# Altium PCB Farzanegan2-2025.PcbDoc (part 1 of 2)
Units mm, origin at the board's own origin, x right, y up, seen from the top; angles counter-clockwise.
Board outline 131.62 x 119.43 mm, 2 copper layers (Top Layer, Bottom Layer); 98 components, 81 nets, 407 pads, 121 vias.
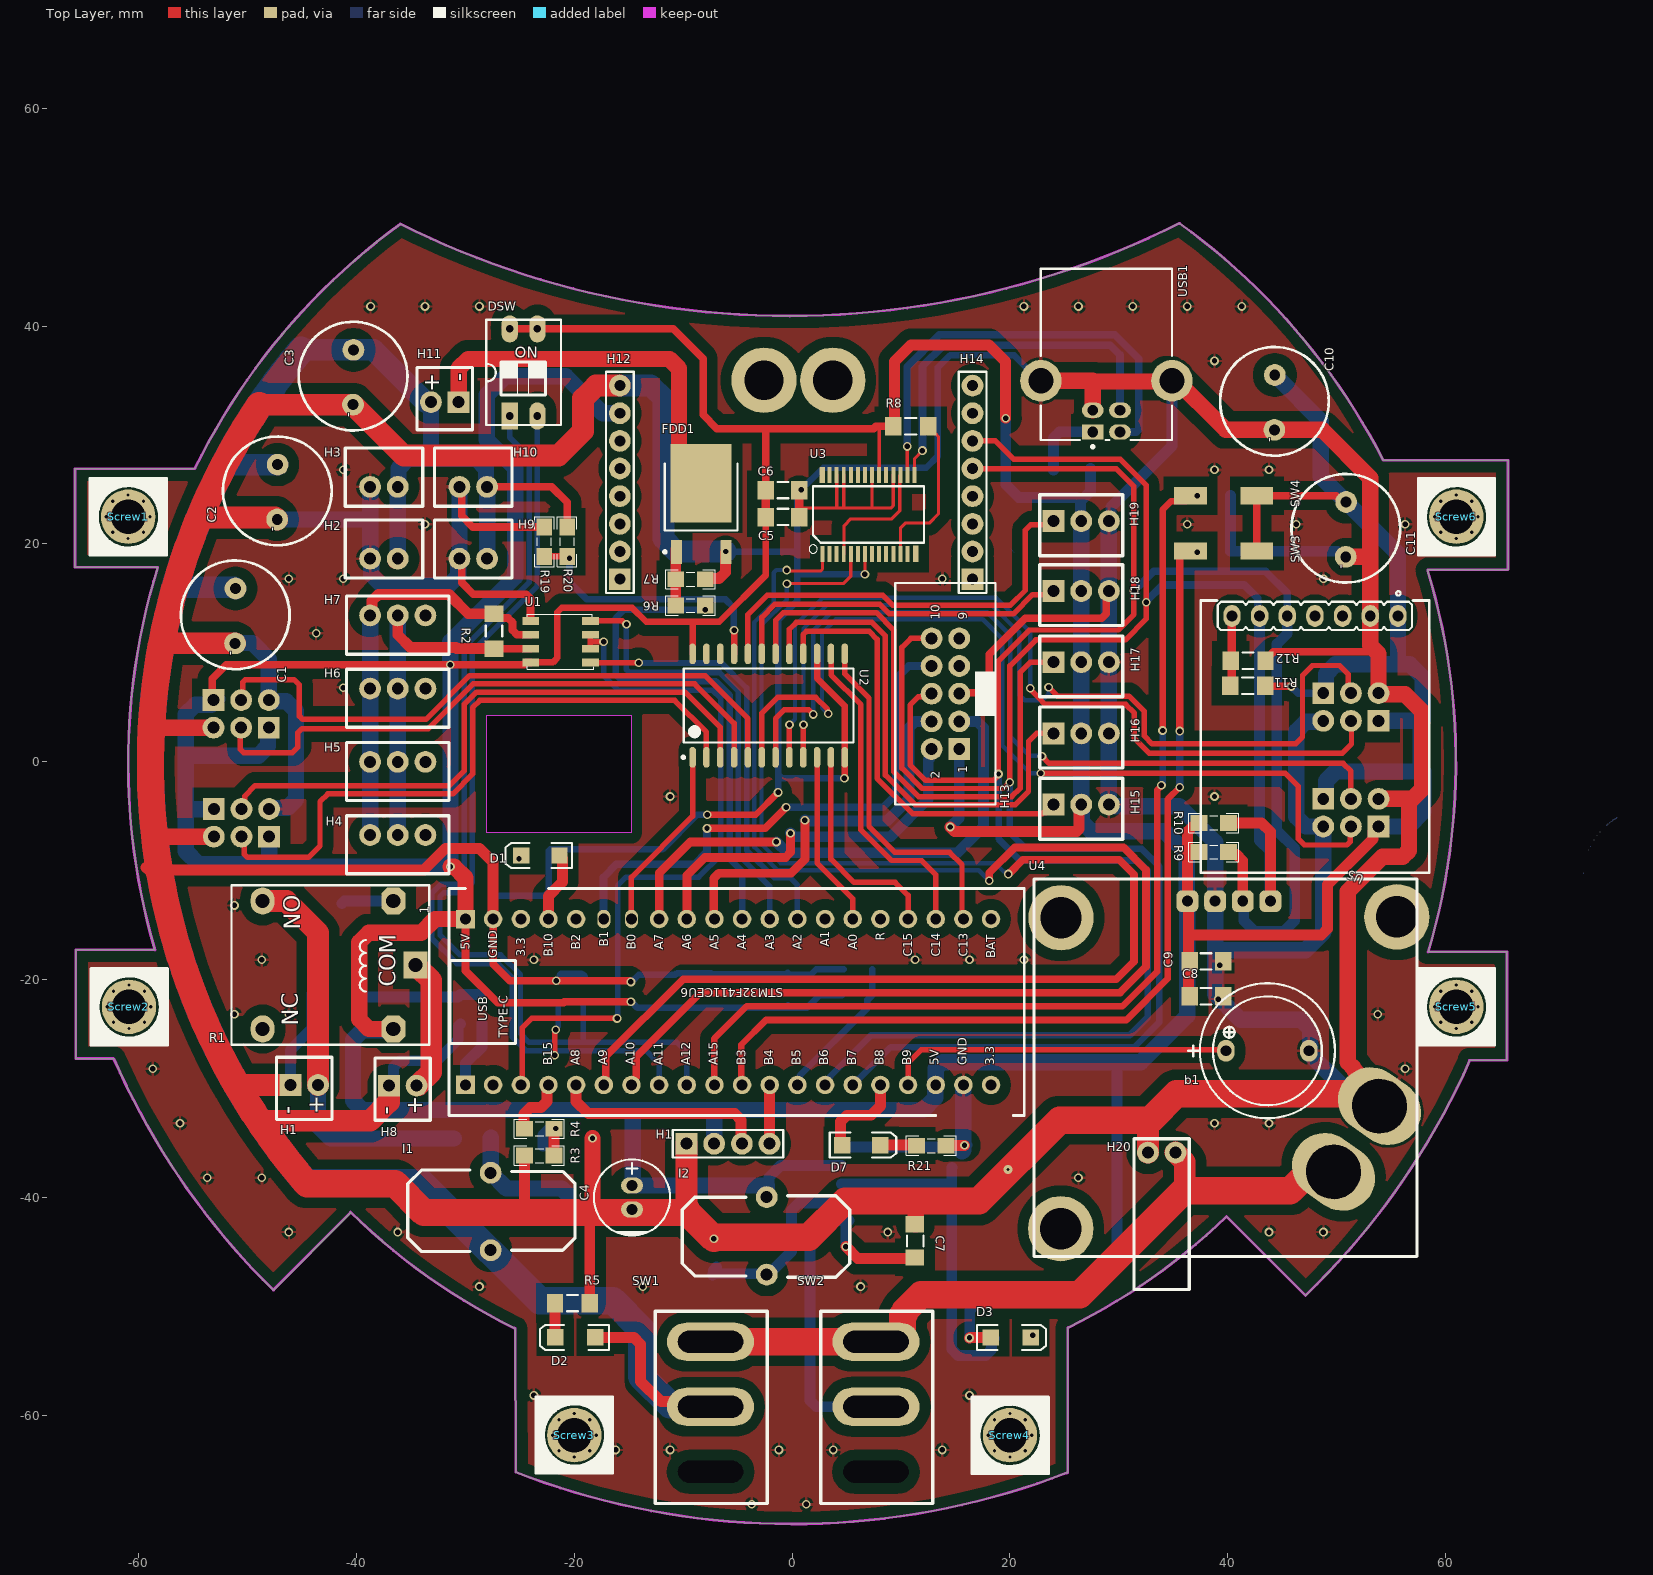
[diagram p0: Top Layer view]
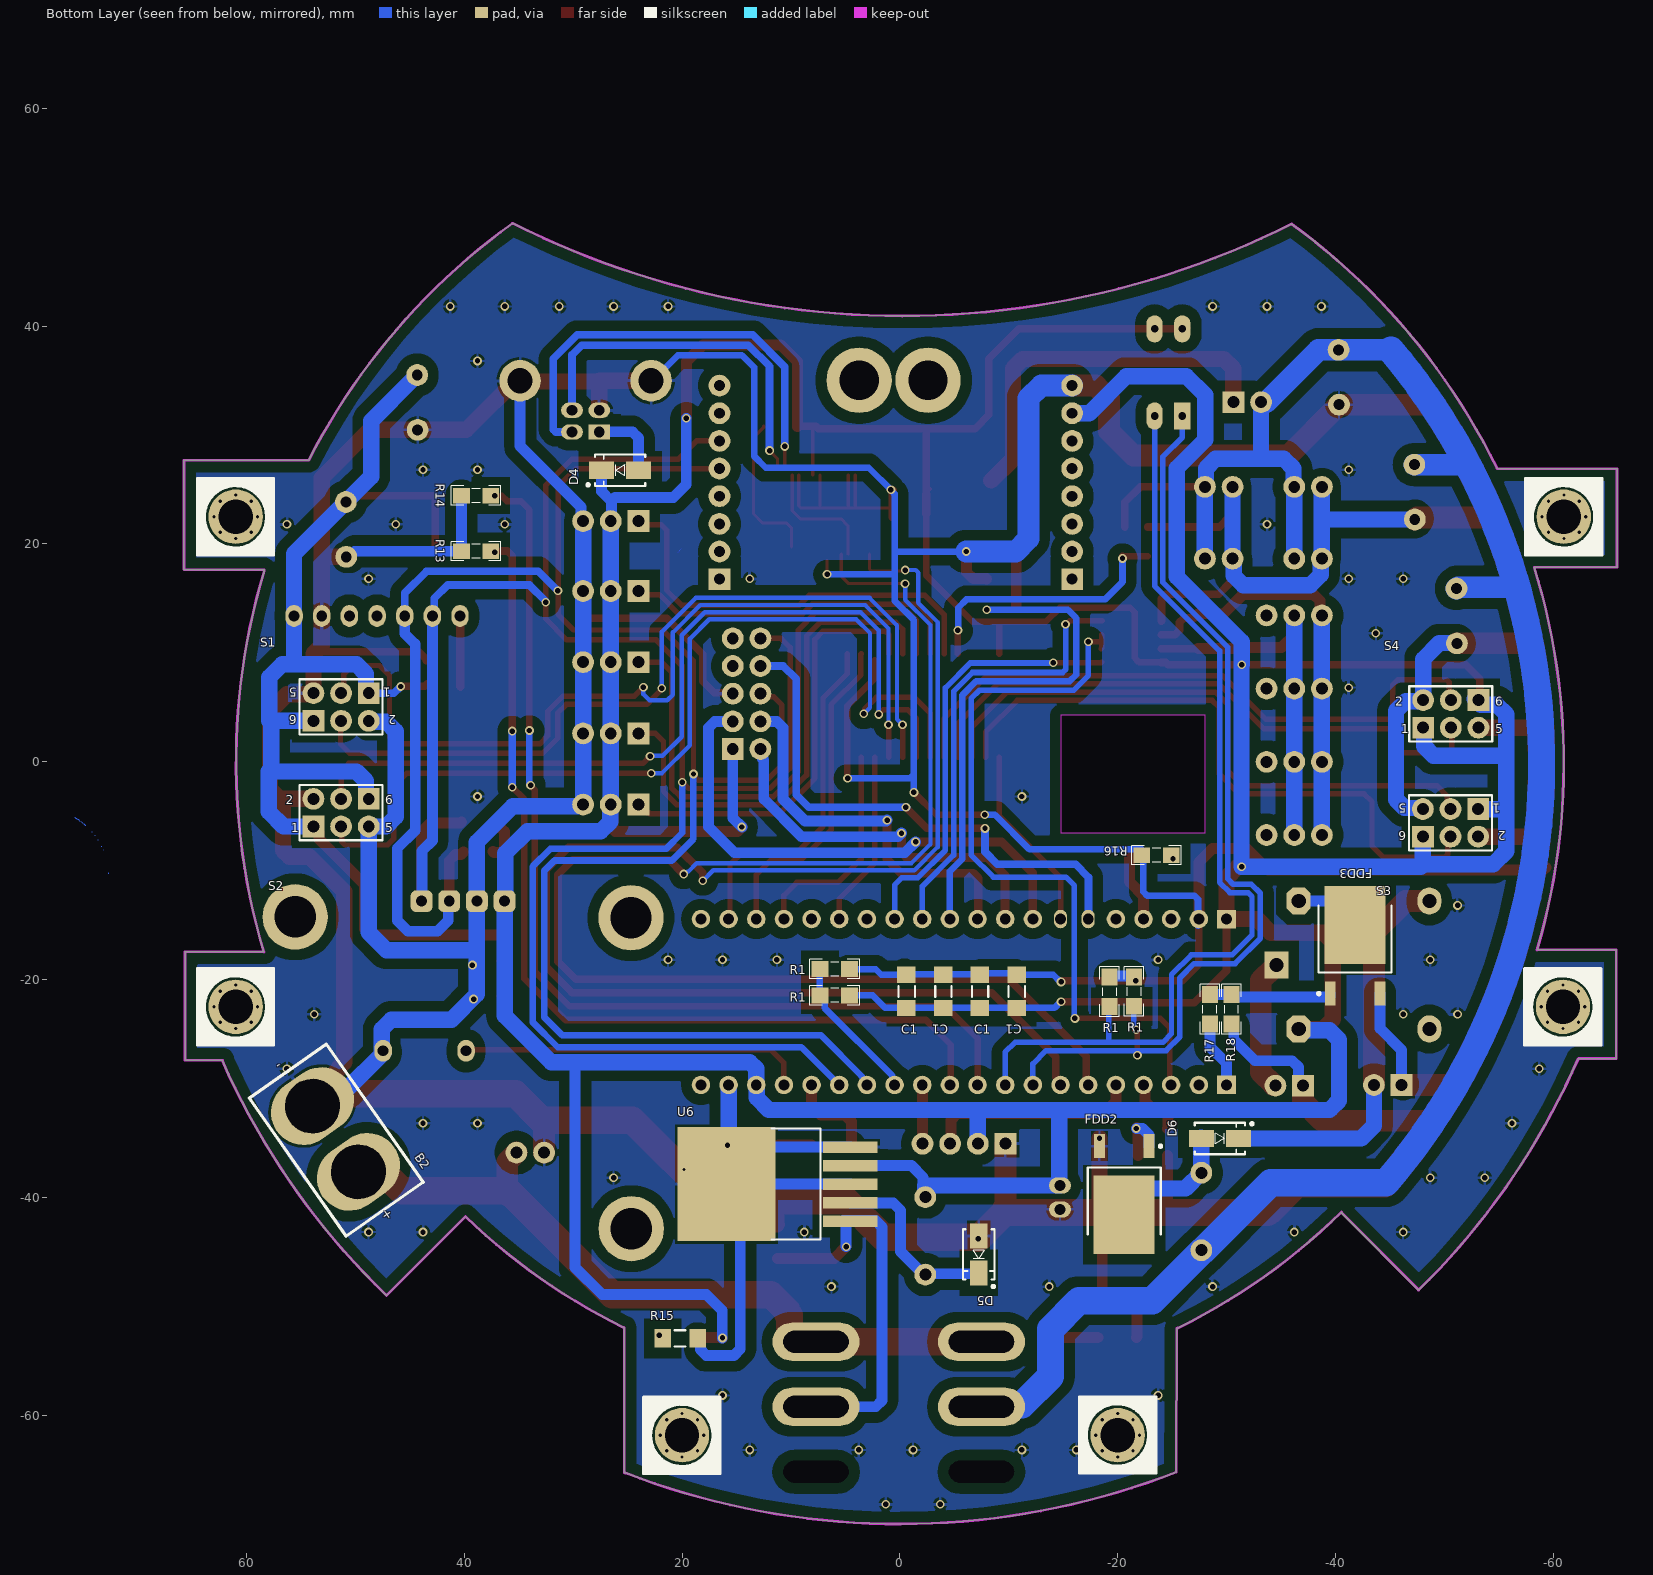
[diagram p1: Bottom Layer view, seen from below]
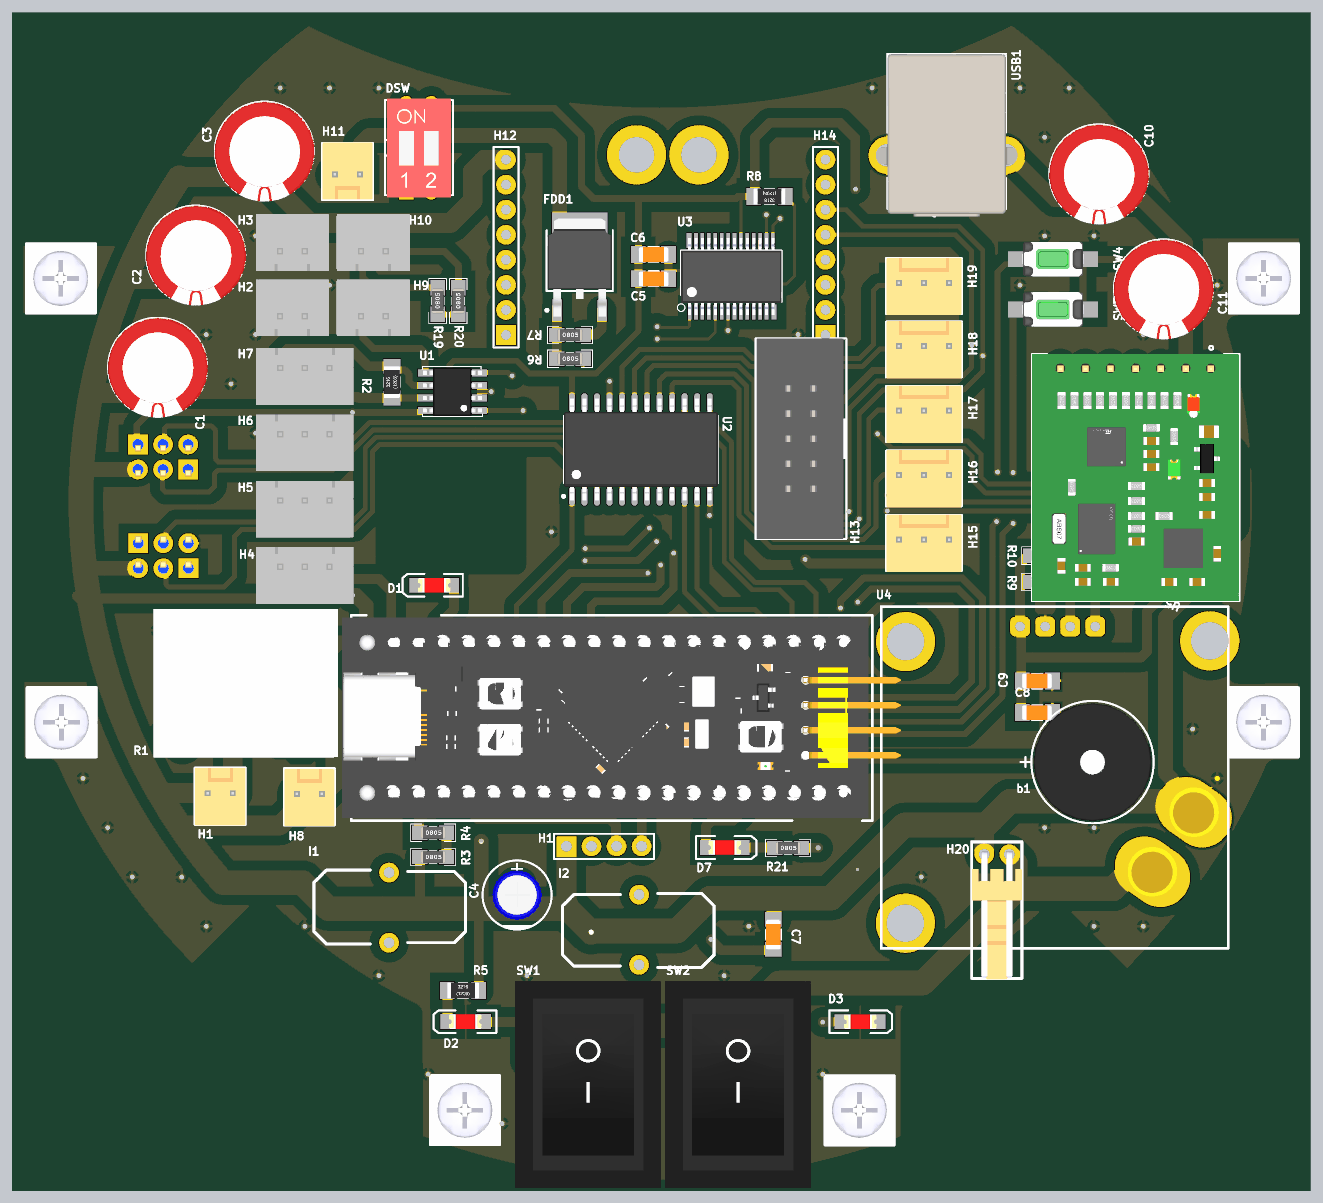
[diagram p3: 3D render of the assembled board from above, using the file's embedded part models]
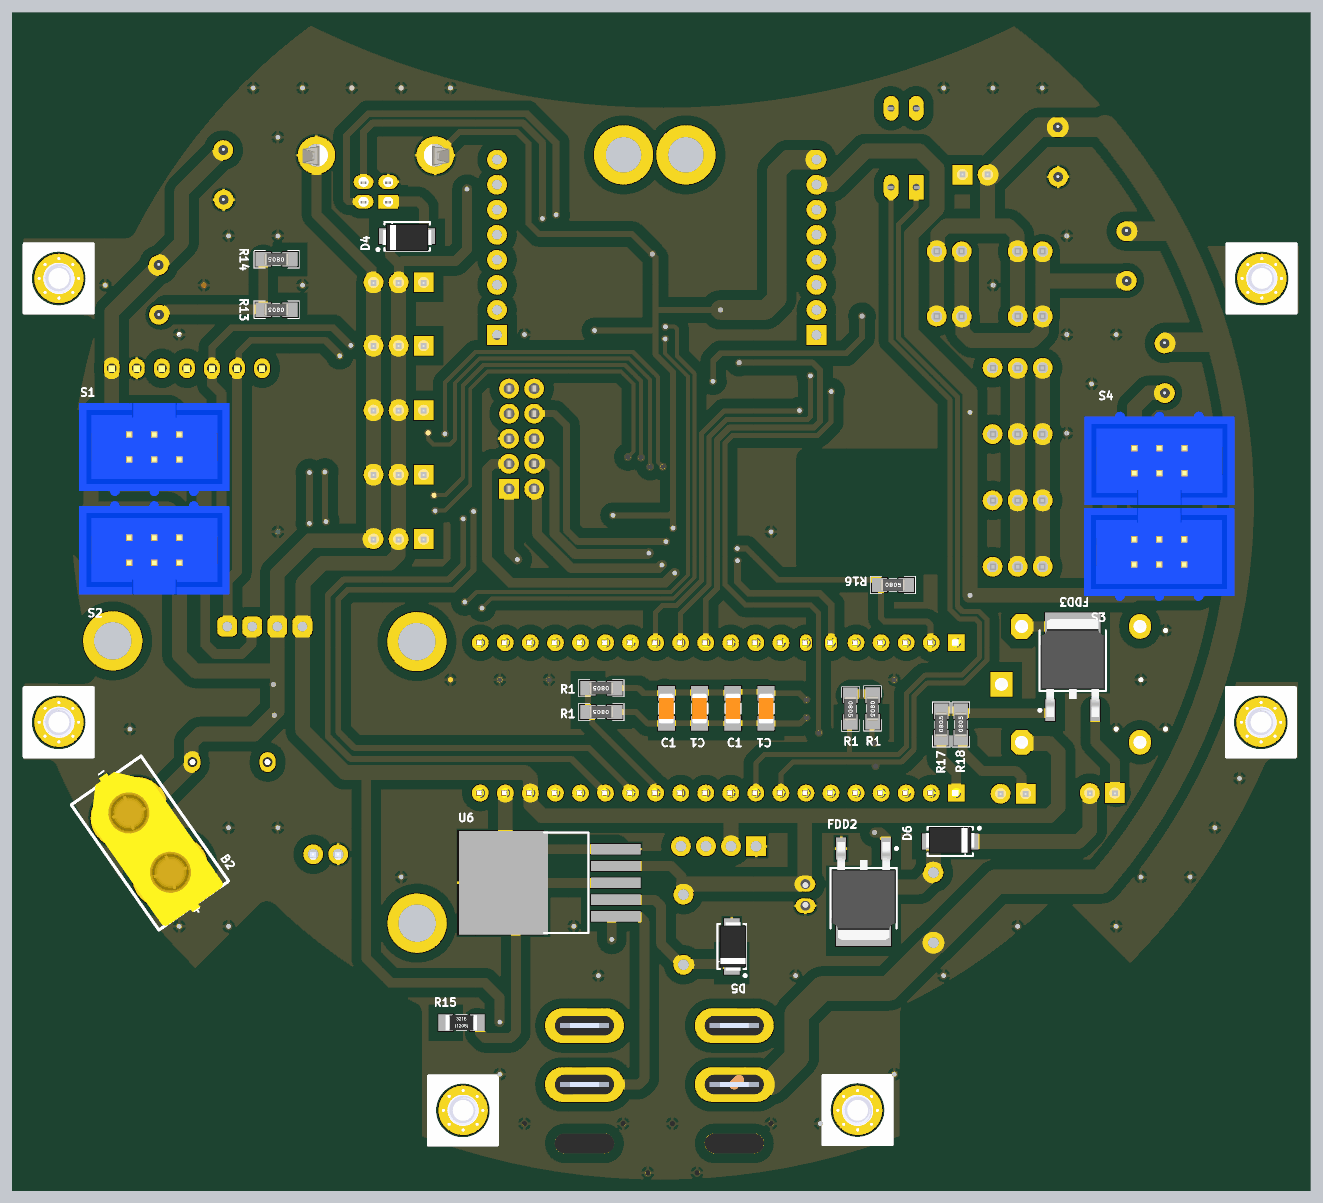
[diagram p4: 3D render of the assembled board from below, using the file's embedded part models]

## Layer stack, top to bottom
Top Solder: solder mask 0.0102, Solder Resist, Dk 3.5
Top Layer: signal copper 0.0356
Dielectric 1: dielectric 0.32, FR-4, Dk 4.8
Bottom Layer: signal copper 0.0356
Bottom Solder: solder mask 0.0102, Solder Resist, Dk 3.5

## Board outline
-47.637,-48.526 cw(c0,0) -62.277,-27.306 -62.332,-27.254 -65.761,-27.254 -65.786,-27.263 -65.786,-17.272 -58.522,-17.272 -58.519,-17.287 cw(c0.025,-0.152) -58.264,17.83 -58.293,17.856 -65.862,17.856 -65.862,26.848 -65.888,26.899 -54.966,26.899 -54.843,26.939 cw(c-0.076,0.076) -36.007,49.371 -35.997,49.392 ccw(c-0.272,120.673) 35.533,49.431 35.593,49.419 cw(c-0.025,-0.102) 54.276,27.689 54.331,27.686 65.735,27.686 65.735,17.653 65.684,17.628 58.369,17.628 58.372,17.517 cw(c-0.051,-0.025) 58.409,-17.446 58.394,-17.468 65.658,-17.451 65.634,-17.45 65.634,-27.407 62.205,-27.407 62.23,-27.413 cw(c0,0) 47.216,-48.935 47.142,-49.022 39.891,-41.77 39.892,-41.771 cw(c-0.186,-0.053) 25.347,-51.963 25.298,-51.973 25.298,-65.278 25.203,-65.306 cw(c0,0) -25.37,-65.241 -25.375,-65.227 -25.425,-52.049 -25.519,-52.011 cw(c0.025,0) -40.566,-41.352 -40.589,-41.453
cut-out: -28.042,-6.528 -28.042,4.267 -14.783,4.267 -14.783,-6.528

## Design rules (kind name [scope] priority, off if disabled: settings)
Clearance [All] p1: gap=0.254 ignorepadtopadclearanceinfootprint=FALSE except(0.5: Fill-Text Fill-Hole Poly-Text Poly-Hole Region-Text Region-Hole; 1: Arc-Fill Arc-Poly Arc-Region Track-Fill Track-Poly Track-Region SMDPad-Fill SMDPad-Poly SMDPad-Region THPad-Fill THPad-Poly THPad-Region Via-Fill Via-Poly Via-Region Fill-Fill Fill-Poly Fill-Region Poly-Poly Poly-Region Region-Region)
ComponentClearance [All] p1 off: gap=0.254 collisioncheckmode=3 verticalgap=0.254 showdistances=FALSE
Height [All] p1: minheight=0 maxheight=50 prefheight=12.7
HoleSize [All] p1: absolutevalues=TRUE maxlimit=50 minlimit=0.025 maxpercent=80.000 minpercent=20.000
PolygonConnect [All] p1: connectstyle=Relief reliefconductorwidth=0.254 reliefentries=4 polygonreliefangle="90 Angle" airgapwidth=0.254
RoutingVias [All] p1: holewidth=0.5 width=0.8 viastyle="Through Hole" minholewidth=0.5 minwidth=0.8 maxholewidth=2 maxwidth=2
SolderMaskExpansion [All] p1: expansion=0.102 istentingtop=FALSE
SupplyNets "Schematic Supply Nets_2" [InNet('+5')] p1: voltage=0.000
SupplyNets "Schematic Supply Nets_1" [InNet('+12')] p2: voltage=0.000
SupplyNets "Schematic Supply Nets" [InNet('GND')] p3: voltage=0.000
Width Width_Power [InNetClass('Power')] p1: maxlimit=5 minlimit=0.5 preferedwidth=3 minimp=50.000000 maximp=50.000000 favimp=50.000000
Width [All] p2: maxlimit=5 minlimit=0.3 preferedwidth=1 minimp=50.000000 maximp=50.000000 favimp=50.000000
27 further rules are at their usual default settings.

## Classes and differential pairs
component class Sheet1.~(21): D5 R17 S1 S2 S3 S4 Screw1 Screw2 Screw3 Screw4 Screw5 Screw6 U5

## Components (designator, comment, footprint, x,y, rotation, side; value= is the part's Value field where it differs from the comment)
1 "BlackPill" BlackPill -3.962,-21.869 r90 top locked (schematic designator *)
b1 "Comment" "BUZZER 7.62mm DC" 43.637,-26.543 r0 top
B2 "Comment" XT60 50.952,-35.89 r325 bottom
C1 "smd" "Cap SMD" -0.61,-21.083 r270 bottom (schematic designator cap57)
C1 "smd" "Cap SMD" -3.979,-21.083 r270 bottom (schematic designator cap1)
C1 "smd" "Cap SMD" -10.719,-21.083 r270 bottom (schematic designator cap1)
C1 "smd" "Cap SMD" -7.349,-21.083 r270 bottom (schematic designator cap57)
C1 "Comment" "MY_CAP_POL 10MM" -51.135,13.389 r270 top
C2 "Comment" "MY_CAP_POL 10MM" -47.269,24.765 r270 top
C3 "Comment" "MY_CAP_POL 10MM" -40.31,35.306 r270 top
C4 "100uf" "Cap 100uF" -14.63,-39.886 r180 top (schematic designator cap2)
C5 "smd" "Cap SMD" -0.889,22.454 r0 top (schematic designator cap3)
C6 "smd" "Cap SMD" -0.889,24.917 r0 top (schematic designator cap23)
C7 "smd" "Cap SMD" 11.278,-43.993 r270 top (schematic designator cap11)
C8 "smd" "Cap SMD" 38.048,-21.514 r180 top (schematic designator cap57)
C9 "smd" "Cap SMD" 38.048,-18.313 r180 top (schematic designator cap1)
C10 "Comment" "MY_CAP_POL 10MM" 44.298,32.995 r270 top
C11 "Comment" "MY_CAP_POL 10MM" 50.851,21.336 r270 top
D1 "SMD 1206 LED" "LED 1206" -23.114,-8.611 r180 top (schematic designator D2)
D2 "SMD" "LED SMD" -20.218,-52.832 r180 top (schematic designator LED2)
D3 "SMD" "LED SMD" 20.371,-52.896 r0 top (schematic designator LED1)
D4 "1n4007" DIOM4629X24N 25.679,26.772 r0 bottom (schematic designator D3)
D5 "1n4007" DIOM4629X24N -7.239,-45.237 r270 bottom (schematic designator D3)
D6 "1n4007" DIOM4629X24N -29.386,-34.595 r180 bottom (schematic designator D3)
D7 "SMD 1206 LED" "LED 1206" 6.352,-35.204 r0 top (schematic designator D2)
DSW "Comment" "DIP Switch x2" -25.933,31.75 r0 top
FDD1 "Comment" TO252-3M -8.357,23.673 r90 top
FDD2 "Comment" TO252-3M -20.605,-39.706 r270 bottom
FDD3 "Comment" TO252-3M -41.808,-16.891 r90 bottom
H1 "Comment" HDR1X4 -9.703,-35.077 r0 top
H1 "Comment" "H2 MOLEX" -44.806,-30.062 r270 top
H2 "Comment" "XH 2pin" -37.49,19.533 r0 top
H3 "Comment" "XH 2pin" -37.49,26.137 r0 top
H4 "Comment" "XH 3PIN" -36.22,-7.62 r180 top
H5 "Comment" "XH 3PIN" -36.22,-0.897 r180 top
H6 "Comment" "XH 3PIN" -36.22,5.825 r180 top
H7 "Comment" "XH 3PIN" -36.22,12.548 r180 top
H8 "Comment" "H2 MOLEX" -35.763,-30.124 r270 top
H9 "Comment" "XH 2pin" -29.286,19.533 r0 top
H10 "Comment" "XH 2pin" -29.286,26.137 r0 top
H11 "Comment" "H2 MOLEX" -31.902,33.401 r90 top
H12 "Comment" HDR1X8 -15.824,16.764 r90 top locked
H13 "IDC2x5" "IDC 2x5" 13.945,6.299 r180 top locked (schematic designator Socket4)
H14 "Comment" HDR1X8 16.561,16.764 r90 top locked
H15 "Comment" "H3 MOLEX" 26.545,-3.932 r0 top locked
H16 "Comment" "H3 MOLEX" 26.545,2.604 r0 top locked
H17 "Comment" "H3 MOLEX" 26.545,9.141 r0 top locked
H18 "Comment" "H3 MOLEX" 26.545,15.677 r0 top locked
H19 "Comment" "H3 MOLEX" 26.545,22.098 r0 top locked
H20 "Comment" "H2 MOLEX ANGLE" 33.807,-39.573 r90 top
I1 "Comment" inductor -27.813,-41.3 r90 top
I2 "Comment" inductor -2.21,-43.536 r270 top
R1 "Comment" RESC3413X04N -19.264,-21.122 r270 bottom
R1 "Comment" RESC3413X04N -21.517,-21.1 r270 bottom
R1 "Comment" RESC3413X04N 5.984,-19.043 r0 bottom
R1 "Comment" RESC3413X04N 5.984,-21.456 r0 bottom
R1 "Comment" "Relay 18.85x15.35x15.70" -41.602,-18.661 r90 top
R2 "SMD" "Resistor SMD 1206" -27.381,11.989 r90 top (schematic designator RES5)
R3 "Comment" RESC3413X04N -23.216,-36.17 r0 top
R4 "Comment" RESC3413X04N -23.216,-33.706 r0 top
R5 "SMD" "Resistor SMD 1206" -20.186,-49.708 r0 top (schematic designator RES9)
R6 "Comment" RESC3413X04N -9.337,14.351 r0 top
R7 "Comment" RESC3413X04N -9.337,16.764 r0 top
R8 "SMD" "Resistor SMD 1206" 10.885,30.81 r180 top (schematic designator RES1)
R9 "1K" RESC3413X04N 38.713,-8.28 r180 top (schematic designator R34)
R10 "1K" RESC3413X04N 38.713,-5.612 r180 top (schematic designator R35)
R11 "SMD" "Resistor SMD 1206" 41.834,6.985 r0 top (schematic designator RES2)
R12 "SMD" "Resistor SMD 1206" 41.859,9.271 r180 top (schematic designator RES3)
R13 "Comment" RESC3413X04N 38.913,19.329 r0 bottom
R14 "Comment" RESC3413X04N 38.913,24.435 r0 bottom
R15 "SMD" "Resistor SMD 1206" 20.168,-52.959 r180 bottom (schematic designator RES8)
R16 "1K" RESC3413X04N -23.571,-8.585 r180 bottom (schematic designator R22)
R17 "Comment" RESC3413X04N -28.473,-22.733 r90 bottom
R18 "Comment" RESC3413X04N -30.463,-22.733 r90 bottom
R19 "Comment" RESC3413X04N -22.758,20.201 r90 top
R20 "Comment" RESC3413X04N -20.664,20.201 r90 top
R21 "Comment" RESC3413X04N 12.776,-35.255 r0 top
S1 "IDC 2X3" "IDC 2X3" 51.308,5.029 r0 bottom
S2 "IDC 2X3" "IDC 2X3" 51.308,-4.674 r180 bottom
S3 "IDC 2X3" "IDC 2X3" -50.571,-5.613 r0 bottom
S4 "IDC 2X3" "IDC 2X3" -50.597,4.394 r180 bottom
Screw1 "Screw" Screw -60.981,22.5 r0 top locked
Screw2 "Screw" Screw -60.9,-22.5 r0 top
Screw3 "Screw" Screw -20,-61.846 r90 top locked
Screw4 "Screw" Screw 20,-61.846 r0 top locked
Screw5 "Screw" Screw 60.982,-22.5 r0 top locked
Screw6 "Screw" Screw 60.982,22.5 r0 top locked
SW1 "Comment" rocker -7.493,-59.233 r0 top
SW2 "Comment" rocker 7.696,-59.233 r0 top
SW3 "Comment" SMD_ALPS_SKQMBBE010#1 39.624,19.355 r0 top
SW4 "Comment" SMD_ALPS_SKQMBBE010#2 39.624,24.465 r0 top
U1 "SN65LB" SOIC8 -21.147,10.852 r180 top (schematic designator evajedi)
U2 "Comment" 4067 -2.159,5.156 r90 top
U3 "INTERFACE-FT232RL(SSOP28)" SSOP28-0.65-10.2X5.2MM 7.01,22.708 r0 top locked (schematic designator U1)
U4 "Comment" "SH1106 [ GND LEFT]" 16.993,-48.743 r0 top locked
U5 "TDAxis12" TDAxis12 48.006,13.311 r180 top locked (schematic designator U2)
U6 "LM2576" D2PAK 12.305,-38.808 r0 bottom (schematic designator Regulator1)
USB1 "USB_B" USB_B.1 28.849,32.632 r90 top locked (schematic designator "USB B1")

## Footprints (in the part's own frame and the unit in brackets; to place one, negate y for a bottom-side part, rotate by r counter-clockwise, add the part's x,y. Pads: shape width x height; smd on the part's side, far side on the other; paste and mask are expansions set on the pad)
4067 [mm] "SOP, 24-Leads, Body 15.40x7.50mm, Pitch 1.27mm, IPC Medium Density"
  oval 1.9x0.6 smd: 1(-4.75,6.985) 2(-4.75,5.715) 3(-4.75,4.445) 4(-4.75,3.175) 5(-4.75,1.905) 6(-4.75,0.635) 7(-4.75,-0.635) 8(-4.75,-1.905) 9(-4.75,-3.175) 10(-4.75,-4.445) 11(-4.75,-5.715) 12(-4.75,-6.985) 13(4.75,-6.985) 14(4.75,-5.715) 15(4.75,-4.445) 16(4.75,-3.175) 17(4.75,-1.905) 18(4.75,-0.635) 19(4.75,0.635) 20(4.75,1.905) 21(4.75,3.175) 22(4.75,4.445) 23(4.75,5.715) 24(4.75,6.985)
  silkscreen extent -4.87,-7.8 3.4,7.96, body extent -5.15,-7.8 5.15,7.8, height 2.65
BlackPill [mm]
  rect 1.7x1.7 hole 1 paste-2539.97 mask+0.102: 1(-7.812,26.036) 40(7.428,26.036)
  round 1.7 hole 1 paste-2539.97 mask+0.102: 2(-7.812,23.496) 3(-7.812,20.956) 4(-7.812,18.416) 5(-7.812,15.876) 6(-7.812,13.336) 7(-7.812,10.796) 8(-7.812,8.256) 9(-7.812,5.716) 10(-7.812,3.176) 11(-7.812,0.636) 12(-7.812,-1.904) 13(-7.812,-4.444) 14(-7.812,-6.984) 15(-7.812,-9.524) 16(-7.812,-12.064) 17(-7.812,-14.604) 18(-7.812,-17.144) 19(-7.812,-19.684) 20(-7.812,-22.224) 21(7.428,-22.224) 22(7.428,-19.684) 23(7.428,-17.144) 24(7.428,-14.604) 25(7.428,-12.064) 26(7.428,-9.524) 27(7.428,-6.984) 28(7.428,-4.444) 29(7.428,-1.904) 30(7.428,0.636) 31(7.428,3.176) 32(7.428,5.716) 33(7.428,8.256) 36(7.428,15.876) 37(7.428,18.416) 38(7.428,20.956) 39(7.428,23.496)
  oval 1.7x1.2 hole 1 paste-2539.97 mask+0.102: 34(7.428,10.796) 35(7.428,13.336)
  silkscreen extent -10.61,-25.27 10.22,27.56, body extent -10.34,-28.17 9.98,28.47, height 13.16
"BUZZER 7.62mm DC" [mm] "BUZZER 12mm DIA , 7.62mm pitch DESIGNER ABBAS BASEREH"
  oval 1.6x2 hole 1: 1(-3.81,0) 2(3.81,0)
  silkscreen extent -7.3,-6.2 6.2,6.2, body extent -6,-6 6,6, height 9.5
"Cap 100uF" [mm]
  oval 2x1.5 hole 1: 1(0.076,-0.973) 2(0.076,1.227)
  silkscreen extent -3.42,-3.37 3.58,3.63, body extent -2.45,-2.4 2.6,2.65, height 11.53
"Cap SMD" [mm]
  rect 1.5x1.7 smd: 1(-1.525,0) 2(1.525,0)
  silkscreen extent -0.47,-0.72 0.53,0.78, body extent -1.49,-0.76 1.55,0.76, height 0.75
D2PAK [mm] "LM2576"
  rect 5x1.05 smd paste-25.4 mask-25.4: 1(-7.758,3.375) 2(-7.758,1.675) 3(-7.758,-0.025) 4(-7.758,-1.725) 5(-7.758,-3.425)
  rect 9x10.5 smd mask-25.4: 6(3.592,-0.025)
  silkscreen extent -5.01,-5.13 -0.51,5.07, body extent -7.37,-5.08 6.86,5.08, height 4.87
DIOM4629X24N [mm] "Molded Diode, 2-Leads, Body 4/60x2/90mm, IPC Medium Density-Design:Abbas Basereh"
  rect 2.3x1.6 smd: 1(-1.7,0) 2(1.7,0)
  silkscreen extent -2.3,-1.45 3.08,1.47, body extent -2.5,-1.22 2.5,1.48, height 2.2
"DIP Switch x2" [mm] "Switch DIP 2 way flat slide Thru-Hole-Design:Ali Hafizi"
  rect 1.5x2.5 hole 0.7: 1(0,0)
  oval 1.5x2.5 hole 0.7: 2(2.54,0) 3(2.54,8) 4(0,8)
  silkscreen extent -2.16,-0.82 4.71,8.83, body extent -1.98,-1.03 4.52,8.97, height 6.91
"H2 MOLEX" [mm]
  round 2 hole 1.1: 1(-0.381,1.27)
  rect 2x2 hole 1.1: 2(-0.381,-1.27)
  silkscreen extent -2.92,-2.54 2.79,2.54, body extent -2.9,-2.54 2.9,2.54, height 11.24
"H2 MOLEX ANGLE" [mm]
  round 2 hole 1.1: 1(3.683,1.143) 2(3.683,-1.397)
  silkscreen extent -8.89,-2.67 4.95,2.41, body extent -9,-2.67 3.97,2.41, height 5.87
"H3 MOLEX" [mm]
  rect 2x2 hole 1.1: 1(-2.54,0)
  round 2 hole 1.1: 2(0,0) 3(2.54,0)
  silkscreen extent -3.81,-3.17 3.81,2.41, body extent -3.81,-3.31 3.81,2.49, height 11.25
HDR1X4 [mm] "Connector; Header; 4 Position"
  rect 2x2 hole 1.1: 1(0,0)
  round 2 hole 1.1: 2(2.54,0) 3(5.08,0) 4(7.62,0)
  silkscreen extent -1.27,-1.27 8.89,1.27
HDR1X8 [mm] "Connector; Header; 8 Position"
  rect 2x2 hole 1: 1(0,0)
  round 2 hole 1: 2(2.54,0) 3(5.08,0) 4(7.62,0) 5(10.16,0) 6(12.7,0) 7(15.24,0) 8(17.78,0)
  silkscreen extent -1.27,-1.27 19.05,1.27
"IDC 2X3" [mm] "DS1013-6"
  rect 2x2 hole 1.1: 1(-2.54,-1.27) 6(2.54,1.27)
  round 2 hole 1.1: 2(-2.54,1.27) 3(0,-1.27) 4(0,1.27) 5(2.54,-1.27)
  silkscreen extent -3.81,-2.54 3.81,2.54, body extent -7.62,-4.86 7.62,4.59, height 9.1
"IDC 2x5" [mm] "DS1013-10"
  rect 2x2 hole 1.1: 1(-1.397,5.131)
  round 2 hole 1.1: 2(1.143,5.131) 3(-1.397,2.591) 4(1.143,2.591) 5(-1.397,0.051) 6(1.143,0.051) 7(-1.397,-2.489) 8(1.143,-2.489) 9(-1.397,-5.029) 10(1.143,-5.029)
  silkscreen extent -4.73,-10.11 4.47,10.21, body extent -4.45,-10.11 4.36,10.21, height 9
inductor [mm]
  round 2 hole 1.1: 1(-3.556,-0.127) 2(3.556,-0.127)
  silkscreen extent -3.68,-7.87 3.81,7.49, body extent -4.15,-8.42 4.15,8.17, height 16.29
"LED 1206" [mm]
  rect 1.5x1.5 smd: 1(-1.75,0) 2(1.75,0)
  silkscreen extent -2.9,-1.15 3.2,1.15, body extent -1.65,-0.72 1.65,0.73, height 1.36
"LED SMD" [mm]
  rect 1.5x1.5 smd: 1(-2.125,0.025) 2(1.525,0.025)
  silkscreen extent -3.4,-1.12 2.95,1.18, body extent -1.92,-0.7 1.38,0.75, height 1.36
"MY_CAP_POL 10MM" [mm]
  round 2 hole 1: +(-2.517,0.02) -(2.517,-0.02)
  silkscreen extent -5.09,-5 4.89,4.98, body extent -5.13,-5.07 5.03,5.09, height 10.16
"Relay 18.85x15.35x15.70" [mm]
  rect 2.5x2.2 hole 1.3: 1(0,-7.025)
  oval 2.5x2.2 hole 1.3: 2(-5.875,7.025) 3(5.875,7.025)
  oct 2.5x2.2 hole 1.3: 4(-5.875,-4.975) 5(5.875,-4.975)
  silkscreen extent -7.33,-8.27 7.33,9.88, body extent -7.37,-8.72 7.63,9.98, height 15.7
RESC3413X04N [mm] "Chip Resistor, 2-Leads, Body 3/40x1/30mm, IPC Medium Density-Design:Abbas Basereh"
  rect 1.55x1.45 smd: 1(-1.35,0) 2(1.35,0)
  silkscreen extent -2.29,-0.89 2.29,0.89, body extent -1.25,-0.62 1.25,0.62, height 0.79
"Resistor SMD 1206" [mm]
  rect 1.5x1.7 smd: 1(-1.6,0) 2(1.6,0)
  silkscreen extent -0.5,-0.75 0.5,0.75, body extent -1.6,-0.8 1.6,0.8, height 0.55
rocker [mm]
  oval 8x3.5 hole 2 slot 6 at 0 deg: 1(0,5.969) 2(0,0)
  oval 5x1 hole 2 slot 6 at 0 deg: 3(0,-5.969)
  silkscreen extent -5.08,-8.89 5.21,8.76, body extent -7.4,-10.5 7.4,10.5, height 16.8
Screw [mm]
  round 0.6 hole 0.3: S(-2,0) S(-1.414,-1.414) S(-1.414,1.414) S(0,-2) S(0,2) S(1.414,-1.414) S(1.414,1.414) S(2,0)
  round 5 hole 3.15 mask+0.1: S(0,0)
  silkscreen extent -3.49,-3.53 3.56,3.52, body extent -2.8,-2.8 2.8,2.8, height 3.88
"SH1106 [ GND LEFT]" [mm]
  rrect50% 2x2 hole 1: 1(21.844,35.941) 2(19.304,35.941) 3(24.384,35.941) 4(26.924,35.941)
  round 6 hole 3.8: 139(38.532,34.493) 140(7.696,34.417) 141(7.671,5.867)
  silkscreen extent 5.21,3.3 40.39,37.97, body extent 5.11,3.21 41.11,37.21, height 9.6
SMD_ALPS_SKQMBBE010#1 [mm] "Vertical 6.0X3.5 mm Compact Type (SurfaceMount) SKQM Series ; Height 5.0 mm ; 50,000 Cycles ; 1.57N Force"
  rect 3x1.6 smd mask-1.27: 1(-3.048,0) 2(3.048,0)
  body extent -3.15,-1.75 3.15,1.75, height 5.03
SMD_ALPS_SKQMBBE010#2 [mm] "Vertical 6.0X3.5 mm Compact Type (SurfaceMount) SKQM Series ; Height 5.0 mm ; 50,000 Cycles ; 1.57N Force"
  rect 3x1.6 smd mask-1.27: 1(-3.048,-0.03) 2(3.048,-0.03)
  body extent -3.15,-1.75 3.15,1.75, height 5.03
SOIC8 [mm]
  rect 1.524x0.7 smd: 1(-2.624,1.733) 2(-2.624,0.463) 3(-2.624,-0.807) 4(-2.624,-2.077) 5(2.856,-2.077) 6(2.856,-0.807) 7(2.856,0.463) 8(2.856,1.733)
  silkscreen extent -2.93,-2.71 3.16,2.37, body extent -2.88,-2.62 3.12,2.28, height 1.75
SSOP28-0.65-10.2X5.2MM [mm]
  rect 0.365x1.5 smd: 1(-4.225,-3.625) 2(-3.575,-3.625) 3(-2.925,-3.625) 4(-2.275,-3.625) 5(-1.625,-3.625) 6(-0.975,-3.625) 7(-0.325,-3.625) 8(0.325,-3.625) 9(0.975,-3.625) 10(1.625,-3.625) 11(2.275,-3.625) 12(2.925,-3.625) 13(3.575,-3.625) 15(4.225,3.625) 16(3.575,3.625) 17(2.925,3.625) 18(2.275,3.625) 19(1.625,3.625) 20(0.975,3.625) 21(0.325,3.625) 22(-0.325,3.625) 23(-0.975,3.625) 24(-1.625,3.625) 25(-2.275,3.625) 26(-2.925,3.625) 27(-3.575,3.625)
  rect 0.5x1.5 smd: 14(4.331,-3.614) 28(-4.269,3.625)
  silkscreen extent -5.46,-3.56 5.1,2.6, body extent -5.09,-3.93 5.11,3.87, height 2
TDAxis12 [mm] "Connector; Header; 7 Position"
  oval 1.6x2 hole 1 mask+0.1: 1(-7.62,-0.075) 2(-5.08,-0.075) 3(-2.54,-0.075) 4(0,-0.075) 5(2.54,-0.075) 6(5.08,-0.075) 7(7.62,-0.075)
  silkscreen extent -10.5,-2.35 10.5,23.5, body extent -10.5,-1.5 10.5,23.5, height 5.34
TO252-3M [mm] "D-PAK, 3-Pads, Body 6.2x6.7mm (max), IPC Low Density"
  rect 2.2x1 smd: 1(-4.4,2.28) 3(-4.4,-2.28)
  rect 7.2x5.6 smd: 4(1.9,0)
  silkscreen extent -4.52,-3.35 3.7,3.45, body extent -5.06,-3.27 4.88,3.27, height 2.39
USB_B.1 [mm]
  rect 1.4x2 hole 1: 1(-2.355,1.25)
  oval 1.4x2 hole 1: 2(-2.355,-1.25) 3(-0.355,-1.25) 4(-0.355,1.25)
  round 3.8 hole 2.3: 5(2.355,6.02) 6(2.355,-6.02)
  silkscreen extent -3.83,-6.02 12.64,6.02, body extent -3.86,-7.45 12.64,7.45, height 10.95
"XH 2pin" [mm]
  round 2 hole 1.1: 1(-1.27,-0.889) 2(1.27,-0.889)
  silkscreen extent -3.56,-2.67 3.56,2.67, body extent -3.7,-2.88 3.7,2.88, height 7
"XH 3PIN" [mm]
  round 2 hole 1.1: 1(-2.54,-0.889) 2(0,-0.889) 3(2.54,-0.889)
  silkscreen extent -4.7,-2.67 4.7,2.67, body extent -4.95,-2.88 4.95,2.88, height 7
XT60 [mm]
  oval 8x6 hole 5: 1(0,2.159) 2(0,-5.207)
  silkscreen extent -4.32,-9.14 4.32,6.35, body extent -3.75,-9.72 3.75,6.83, height 16

## Part data
C1 C1 C1 C1 C5 C6 C7 C8 C9: library part "Cap SMD"
C4: library part "Cap 100uF"
D1 D7: library part "LED SMD 1206"
D2 D3: library part "LED SMD"
D4 D5 D6: library part "1n4007 SMD M7", "Standard Rectifiers", Manufacturer="DC COMPONENTS", Data=16-12-2016, Designer="Abbas Basereh", Link=http://www.tme.eu/en/details/m7/smd-universal-diodes/dc-components/, Part. No=M7
H13: library part "IDC 2x5"
R2 R5 R8 R11 R12 R15: library part "Res SMD"
R9 R10 R16: library part "RES 0805 0.125W", "RES 0805", Data=16-12-2016, Desc.="RES SMD 0805", Designer="Abbas Basereh"
U3: "USB Bridge, USB to UART USB 2.0 UART Interface 28-SSOP", Package="SSOP-28 FTDI", Check_prices=https://www.snapeda.com/parts/FT232RL/FTDI%252C+Future+Technology+Devices+International+Ltd/view-part/?ref=eda, MF="FTDI, Future", MP=FT232RL, SnapEDA_Link=https://www.snapeda.com/parts/FT232RL/FTDI%252C+Future+Technology+Devices+International+Ltd/view-part/?ref=snap
U5: "Module, 12 Axis IMU, I2C UART Output"
USB1: "USB B", LatestRevisionDate=17-Jul-2002, LatestRevisionNote="Re-released for DXP Platform.", Publisher="Altium Limited"
Screw1 Screw2 Screw3 Screw4 Screw5 Screw6: LatestRevisionDate=17-Jul-2002, LatestRevisionNote="Re-released for DXP Platform.", Publisher="Altium Limited"

## Free pads (board coordinates)
  round 6 hole 3.6 mask+0.1: 2(-2.591,35.027) 2(3.734,35.027)

## Via types
v1: diameter 0.8, hole 0.5, Top Layer to Bottom Layer, tented both sides, 120 vias
v2: diameter 0.8, hole 0.3, Top Layer to Bottom Layer, tented both sides, 1 vias

## Nets (pads, with @x,y where several pads share a name; then routed paths per layer and width w, separated by ;. In a path a pad name is that pad's centre, name@x,y a point inside that pad or via, vN(x,y) a via of type N, cw(c..) or ccw(c..) an arc to the next point about the centre after c; other vN are vias at no path point)
"2 USB 16 FT": U3.16 USB1.2 | length 41.1
  Top Layer w0.3: v1(10.566,28.956) 10.576,28.947 U3.16@10.576,26.883
  Bottom Layer w0.7: v1(10.566,28.956) 10.566,36.249 13.514,39.196 29.616,39.196 31.826,36.985 31.826,30.511 31.592,30.277 USB1.2@30.099,30.277
5V: 
+5: 1.18 1.40 C1.2 C4.1 C5.1 C6.1 C8.2 C9.2 C10.+ C11.+ D3.1 D4.2 DSW.3 DSW.4 H1.2@-7.163,-35.077 H12.7 H13.1 H15.2 H16.2 H17.2 H18.2 H19.2 I2.1 R1.1@4.634,-21.456 R1.4 R8.2 R9.2 R10.2 R11.2 S1.1 S1.6 S2.1 S2.6 S3.1 S3.6 S4.1 S4.6 SW3.2 SW4.2 U1.8 U2.24 U3.20 U4.2 U5.1 U6.4 | length 724.4
  Top Layer w0.3: C6.1@-2.822,25.016 C6.1@-2.692,25.146 ; U3.20@7.985,26.333 7.985,30.693 8.103,30.81 8.153,30.861 R8.2@9.285,30.861
  Top Layer w0.6: U1.8@-24.003,9.119 -21.975,9.119 -21.565,9.529 -21.565,13.738 -21.155,14.148 -14.707,14.148 -13.411,12.852 -9.144,12.852 ; U2.24@-9.144,9.906 -9.144,12.852 ; C5.1@-2.414,22.454 -2.414,17.144 -6.706,12.852 -9.144,12.852
  Top Layer w0.7: S4.6@-53.264,5.588 -53.264,7.62 -51.968,8.915 v1(-31.394,8.915) ; v1@-31.369,8.915 -24.618,8.915 -24.415,9.119 U1.8@-24.003,9.119 ; 1.40@-29.998,-14.441 -29.998,-19.176 -27.051,-22.123 -20.981,-22.123 -20.905,-22.047 v1(-14.808,-22.047) ; DSW.4@-26.365,39.853 DSW.4@-25.578,39.065 ; DSW.4@-25.933,39.75 DSW.3@-23.393,39.75 -10.921,39.75 -8.179,37.008 -8.179,31.852 -6.909,30.582 7.468,30.582 7.696,30.81 8.103,30.81 R8.2@9.285,30.81 ; C6.1@-2.414,24.917 -2.414,30.556 ; SW3.2@42.672,19.355 42.672,24.359 SW4.2@42.748,24.435 ; SW4.2@42.672,24.435 SW4.2@42.748,24.435 ; R11.2@43.383,7.163 43.618,6.928 45.802,6.928 v1(45.822,6.909) ; C11.+@50.927,23.876 50.497,23.876 49.938,24.435 SW4.2@42.748,24.435
  Top Layer w0.8: C5.1@-2.414,22.757 C6.1@-2.414,24.614
  Top Layer w1: R8.2@9.398,30.759 9.398,36.754 10.922,38.278 18.059,38.278 19.583,36.754 19.583,31.572 v1(19.609,31.547) ; v1(14.503,-5.994) 14.91,-6.401 26.135,-6.401 26.353,-6.183 26.353,-4 H15.2@26.619,-3.734 ; v1(16.281,-52.908) 16.319,-52.871 D3.1@18.246,-52.871 ; C9.2@36.41,-18.313 36.41,-21.401 C8.2@36.523,-21.514 ; C9.2@36.523,-18.313 36.41,-18.2 36.41,-15.926 ; R9.2@37.363,-8.23 37.262,-8.331 36.297,-8.331 ; R10.2@37.363,-5.612 37.138,-5.837 36.882,-5.837 36.297,-6.423 36.297,-8.331 ; S2.1@53.848,-5.944 53.348,-6.444 53.348,-7.104 49.169,-11.283 49.169,-15.34 48.583,-15.926 36.41,-15.926 ; 36.297,-8.331 U4.2@36.297,-12.802 36.297,-12.954 36.41,-13.067 36.41,-15.926
  Top Layer w1.5: R1.4@-36.627,-24.536 -38.872,-24.536 -39.751,-23.658 -39.751,-16.576 -38.872,-15.697 -34.061,-15.697 -32.806,-14.441 1.40@-29.998,-14.441 ; v1(-31.382,-9.633) -31.032,-9.633 -29.997,-10.668 1.40@-29.997,-14.326
  Bottom Layer w0.6: v1(-14.808,-22.047) -14.754,-22.047 -14.193,-22.608 -10.721,-22.608 -10.719,-22.606 -0.61,-22.606 C1.2@-0.608,-22.606 ; C1.2@-0.384,-22.382 C1.2@-0.608,-22.606 ; R1.1@4.623,-21.361 4.528,-21.456 2.496,-21.456 1.344,-22.608 C1.2@-0.61,-22.608 C1.2@-0.608,-22.606
  Bottom Layer w0.7: C10.+@44.577,35.204 C10.+@44.625,35.204 ; v1(45.822,6.909) 45.849,6.909 46.458,6.299 S1.1@48.768,6.299 ; 55.626,8.941 55.626,8.788 55.702,8.712
  Bottom Layer w1: -2.145,-38.913 -2.145,-38.163 -1.065,-37.082 U6.4@4.547,-37.082 ; v1(14.503,-5.994) 15.342,-5.156 H13.1@15.342,1.168 ; v1@16.307,-52.908 16.307,-50.394 17.78,-48.92 27.33,-48.92 29.82,-46.431 29.82,-27.584 ; v1(19.609,31.547) 19.609,25.451 20.803,24.257 26.162,24.257 26.492,23.927 ; H19.2@26.545,22.098 26.492,22.15 26.492,23.927 ; D4.2@27.407,26.924 27.407,24.841 26.492,23.927
  Bottom Layer w1.5: -55.423,-4.369 -53.137,-4.369 S3.1@-53.111,-4.343 ; S4.6@-52.807,5.766 -53.34,5.232 -54.824,5.232 -55.702,4.354 -55.702,0.559 ; S4.1@-48.057,3.124 -48.133,3.048 -48.133,1.437 -49.012,0.559 -55.702,0.559 ; S3.6@-48.031,-6.883 -48.031,-9.423 ; -39.563,-31.873 -40.335,-31.1 -40.335,-25.542 -39.457,-24.663 R1.4@-36.601,-24.663 ; -39.457,-31.979 -14.63,-31.979 ; v1(-31.382,-9.633) -47.822,-9.633 -48.031,-9.423 ; v1@-31.382,-9.423 -31.382,8.903 v1(-31.394,8.915) -31.394,11.024 -25.425,16.993 -25.425,26.949 -28.042,29.566 -28.042,33.68 -26.314,35.408 -20.802,35.408 -17.409,32.015 -16.038,32.015 H12.7@-15.926,31.902 ; C4.1@-14.707,-38.913 C4.1@-14.63,-38.913 ; H1.2@-7.163,-34.874 -7.163,-31.979 ; I2.1@-2.337,-39.98 -2.337,-38.913 C4.1@-14.63,-38.913 ; H15.2@26.545,-3.986 26.576,-4.017 26.576,-5.497 27.455,-6.375 34.188,-6.375 36.22,-8.407 U4.2@36.22,-12.725 ; H15.2@26.545,-3.932 H16.2@26.545,2.604 H17.2@26.545,9.141 26.545,15.546 H18.2@26.619,15.621 ; H18.2@26.545,15.677 H19.2@26.545,22.098 ; U4.2@36.271,-12.827 36.271,-23.317 32.004,-27.584 29.82,-27.584 13.767,-27.584 13.182,-28.17 1.18@13.182,-29.681 13.143,-29.72 13.143,-30.86 12.025,-31.979 -7.163,-31.979 ; C10.+@44.625,35.204 48.539,31.29 48.539,26.185 C11.+@50.871,23.853 55.626,19.098 U5.1@55.626,13.386 55.626,8.941 ; S2.6@48.768,-3.404 49.018,-3.154 49.018,-1.768 49.897,-0.889 57.582,-0.889 57.734,-1.041 57.734,3.759 ; S1.1@48.768,6.299 49.018,6.549 49.018,8.062 49.897,8.941 55.626,8.941 ; S2.1@53.823,-5.944 S2.1@53.848,-5.944 56.591,-5.944 57.937,-4.597 57.937,-0.889 ; S1.6@53.848,3.759 57.734,3.759 ; -55.702,0.559 -55.702,-8.204 -54.483,-9.423 -48.031,-9.423 ; C4.1@-14.63,-38.913 -14.63,-31.979 ; -14.63,-31.979 -7.163,-31.979 ; 55.626,8.941 56.718,8.941 57.912,7.747 57.912,3.759 57.734,3.759
+12: C1.+ C2.+ C3.+ D2.1 H2.2 H3.2 H9.2 H10.2 H11.1 I1.1 R20.2 SW1.2 | length 212.5
  Top Layer w0.7: H10.2@-28.194,25.324 -28.118,25.248 H10.2@-28.016,25.248 -22.1,25.248 -20.664,23.812 R20.2@-20.664,21.551
  Top Layer w1: D2.1@-18.186,-52.883 -14.529,-52.883 -13.919,-53.492 -13.919,-56.896 -12.061,-58.754 -7.971,-58.754 SW1.2@-7.493,-59.233
  Top Layer w1.5: H2.2@-36.398,18.44 -36.22,18.618 H2.2@-36.22,18.644 ; H9.2@-28.016,18.796 H9.2@-27.788,18.567
  Bottom Layer w1.5: H2.2@-36.22,18.644 H3.2@-36.22,25.248 ; H3.2@-36.144,25.197 -36.144,26.934 -35.266,27.813 -28.991,27.813 -28.112,26.934 -28.112,25.343 H10.2@-28.016,25.248 H9.2@-28.016,18.796 ; H11.1@-33.444,33.02 -33.24,32.817 H11.1@-33.172,32.817 ; H11.1@-33.268,32.721 H11.1@-33.268,32.789 ; H11.1@-33.172,33.02 H11.1@-33.172,32.817 ; -33.122,27.965 -33.172,28.016 H11.1@-33.172,32.817
  Bottom Layer w2: -56.947,16.027 -51.237,16.027 C1.+@-51.115,15.906 ; -52.197,27.254 -52.169,27.282 C2.+@-47.249,27.282 ; -44.983,37.795 -44.955,37.823 C3.+@-40.29,37.823 -38.458,37.823 -33.655,33.02 H11.1@-33.444,33.02
  Bottom Layer w2.5: -45.094,37.806 ccw(c0.066,-0.162) -44.745,-38.541 ; -44.627,-38.659 -34.061,-38.659 I1.1@-27.864,-44.856 ; I1.1@-27.686,-44.983 -23.177,-49.492 -16.446,-49.492 -13.843,-52.095 -13.843,-56.422 -11.224,-59.041 -7.684,-59.041 SW1.2@-7.493,-59.233
A: H4.3 H5.3 H6.3 H7.3 R2.2 U1.6 | length 38.4
  Top Layer w0.7: R2.2@-27.432,13.589 -27.039,13.196 -26.089,13.196 -25.679,12.786 -25.679,12.069 -25.269,11.659 U1.6@-24.003,11.659
  Top Layer w1: H7.3@-38.76,13.437 -38.569,13.628 -38.569,14.781 -37.983,15.367 -31.521,15.367 -29.743,13.589 R2.2@-27.432,13.589
  Bottom Layer w1.5: H4.3@-38.76,-6.731 H5.3@-38.76,-0.008 H6.3@-38.76,6.714 -38.76,13.206 -38.606,13.36 H7.3@-38.583,13.36
A12S2: 1.23 U2.14 | length 30
  Top Layer w0.5: U2.14@3.556,9.906 3.575,9.887 3.575,7.982 6.299,5.258 6.299,-6.248 9.119,-9.068 11.887,-9.068 13.182,-10.362 1.23@13.182,-14.441
B: H4.2 H5.2 H6.2 H7.2 R2.1 U1.7 | length 34.7
  Top Layer w0.7: R2.1@-27.381,10.389 U1.7@-24.003,10.389
  Top Layer w1: H7.2@-36.22,13.437 -36.22,11.659 -35.043,10.481 -30.891,10.481 -30.799,10.389 R2.1@-27.381,10.389
  Bottom Layer w1.5: H7.2@-36.22,13.437 H6.2@-36.22,6.714 H5.2@-36.22,-0.008 -36.22,-6.5 -36.04,-6.68 H4.2@-36.017,-6.68
B2S1: 1.24 U2.11 | length 20
  Top Layer w0.5: U2.11@3.556,0.406 3.556,-8.941 5.69,-11.074 9.449,-11.074 10.642,-12.267 1.24@10.642,-14.441
B12S0: 1.26 U2.10 | length 16.2
  Top Layer w0.5: U2.10@2.286,0.406 2.286,-9.296 5.562,-12.572 1.26@5.562,-14.441
"Back 1": S4.3 U2.4 | length 55.6
  Top Layer w0.5: S4.3@-50.673,3.302 -50.673,1.131 -50.38,0.838 -45.898,0.838 -45.39,1.346 -45.39,2.667 -45.009,3.048 -33.4,3.048 -29.301,7.147 -8.95,7.147 -5.334,3.531 U2.4@-5.334,0.406
"Back 2": S4.4 U2.5 | length 58.2
  Top Layer w0.5: S4.4@-50.47,5.69 -50.47,7.29 -50.216,7.544 -45.745,7.544 -45.263,7.061 -45.263,4.191 -44.958,3.886 -33.628,3.886 -29.614,7.901 -8.002,7.901 -4.064,3.962 U2.5@-4.064,0.406
BOOST_CTRL: 1.4 R4.1 | length 5.6
  Top Layer w1: R4.1@-24.566,-33.706 -24.638,-33.633 -24.638,-32.336 -24.052,-31.75 -23.065,-31.75 -22.512,-31.198 -22.512,-29.675 1.4@-22.479,-29.642
buzzer: 1.17 b1.1 | length 31.8
  Top Layer w0.508: 1.17@10.642,-29.681 10.642,-27.662 11.862,-26.441 39.726,-26.441 b1.1@39.827,-26.543
C13S3: 1.22 U2.13 | length 32.1
  Top Layer w0.5: U2.13@4.826,9.906 4.845,9.887 4.845,8.058 7.053,5.85 7.053,-5.936 9.431,-8.314 14.461,-8.314 15.596,-9.449 1.22@15.596,-14.783
DIP1: 1.8 DSW.1 R1.2@-21.517,-22.45 | length 89.4
  Top Layer w0.508: v1(-21.819,-26.949) -21.819,-24.793 -21.717,-24.692 v1(-21.717,-24.613)
  Bottom Layer w0.508: DSW.1@-25.933,31.75 -25.933,29.794 -24.151,28.012 -24.151,16.468 -30.124,10.495 -30.124,-10.764 -30.616,-11.256 -31.805,-11.256 -32.293,-11.256 -33.096,-12.06 -33.096,-12.548 -33.096,-16.231 -30.785,-18.542 -27.026,-18.542 -25.705,-19.863 -25.705,-25.273 -24.46,-26.518 -21.717,-26.518 ; v1(-21.819,-26.949) -21.763,-26.894 -21.763,-26.563 -21.717,-26.518 ; v1(-21.717,-24.613) -21.717,-24.534 -21.463,-24.28 R1.2@-21.463,-22.327 ; 1.8@-12.218,-29.681 -12.218,-27.738 -13.439,-26.518 -21.717,-26.518
DIP2: 1.9 DSW.2 R1.2@-19.264,-22.472 | length 89.1
  Bottom Layer w0.5: DSW.2@-23.393,31.75 -23.393,16.154 -29.366,10.181 -29.366,-11.078 -30.302,-12.014 -31.979,-12.014 -32.338,-12.374 -32.338,-15.917 -30.522,-17.733 -26.763,-17.733 -24.947,-19.549 -24.947,-24.959 -24.146,-25.76 -19.177,-25.76 ; R1.2@-19.253,-22.301 -19.177,-22.377 -19.177,-25.76 ; 1.9@-9.678,-29.681 -9.678,-26.669 -10.588,-25.76 -19.177,-25.76
"Front 1": S2.3 U2.6 | length 87
  Top Layer w0.5: U2.6@-2.794,0.406 -2.794,4.47 -1.346,5.918 2.159,5.918 3.245,4.833 3.245,4.452 v1(3.302,4.394) ; v1(22.835,-1.067) 45.288,-1.067 46.482,-2.261 46.482,-7.087 47.041,-7.645 50.949,-7.645 51.242,-7.353 51.242,-6.01 S2.3@51.308,-5.944
  Bottom Layer w0.4: v1(3.302,4.394) 2.743,4.953 2.743,11.811 4.013,13.081 17.501,13.081 19.279,11.303 19.279,1.524 21.844,-1.041 22.809,-1.041 v1(22.835,-1.067)
"Front 2": S2.4 U2.7 | length 79.3
  Top Layer w0.5: U2.7@-1.524,0.406 -1.524,3.966 -0.714,4.775 1.503,4.775 1.934,4.343 v1(1.945,4.343) ; v1(22.936,0.508) 23.597,-0.152 50.597,-0.152 51.308,-0.864 S2.4@51.308,-3.353
  Bottom Layer w0.4: v1(1.945,4.343) 1.945,12.08 3.601,13.735 17.913,13.735 20.033,11.615 20.033,2.294 21.786,0.54 22.904,0.54 v1(22.936,0.508)